# KiCad board pandore.kicad_pcb (continued)
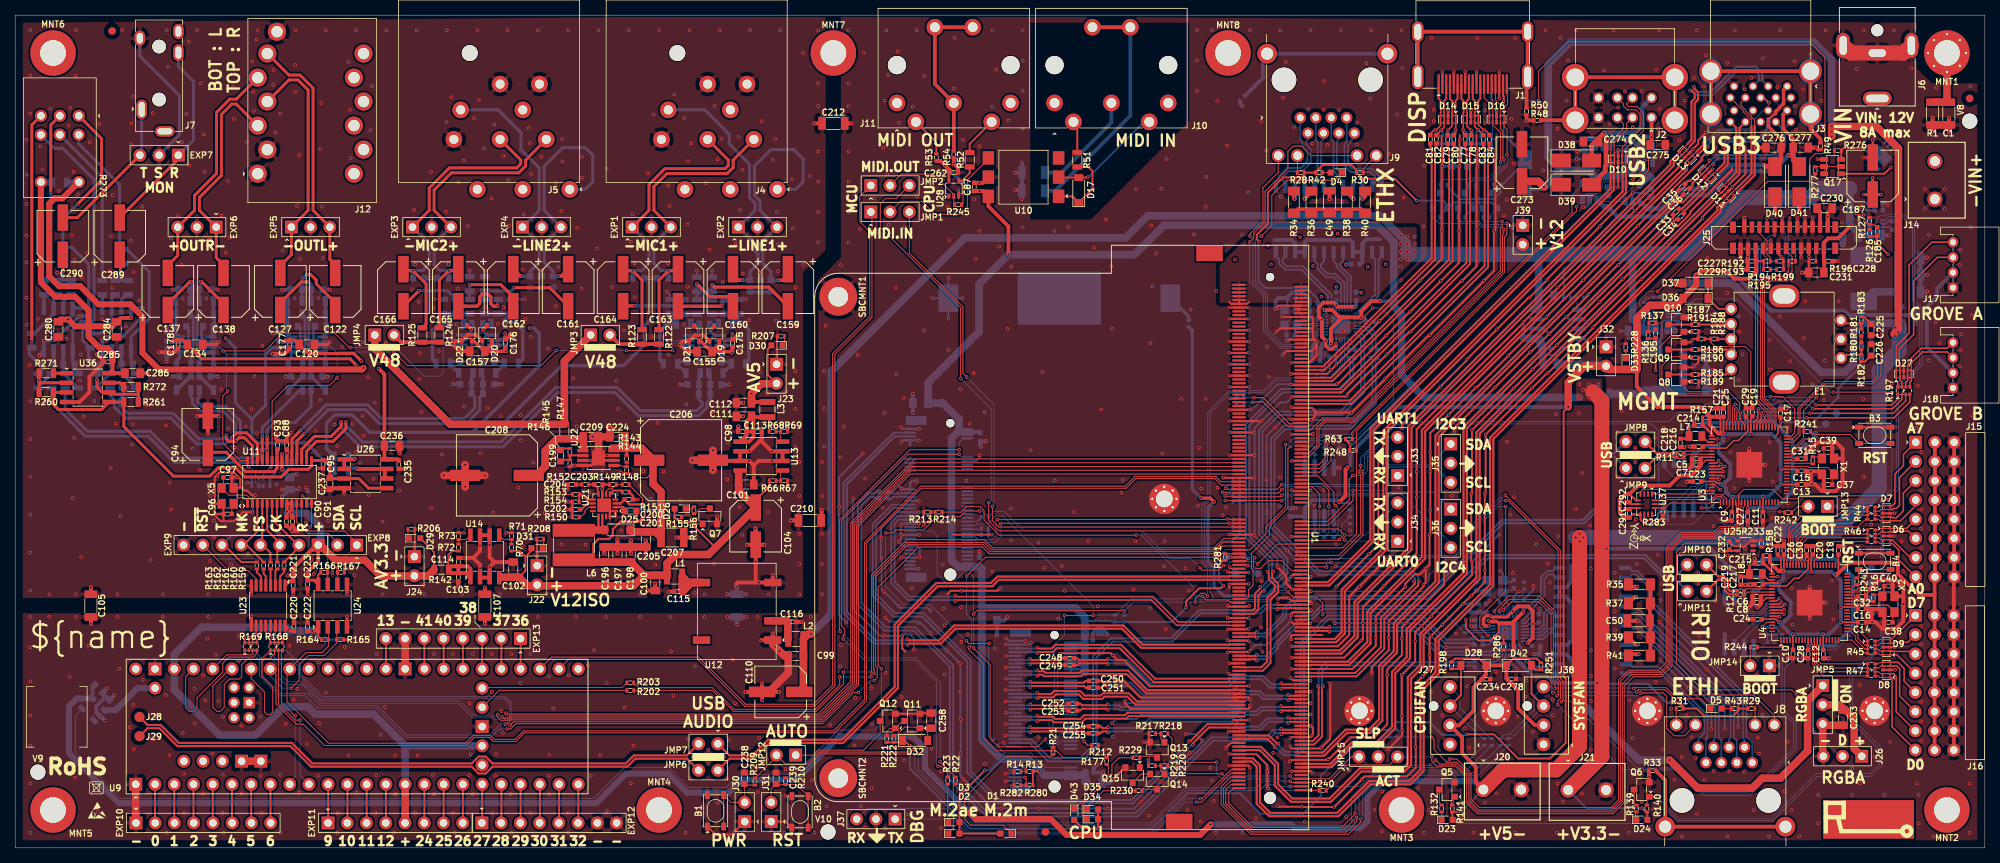
[diagram p0: board, top side]
## Routing (per net, layer and track width the routed paths; a pad name or vN(x,y) marks a point on that pad's centre or on a via; arc(x,y) is an arc through that point) (continued)
/Audio/Audio inputs/~{MUTE}.R: length 62.4
  Top w0.127: v1(44.3,66.1) 44.1,66.1 42.2,68 35.3,68 32.95,65.65 v1(27.45,65.65) ; v1(30.8,50.31) 30.66,50.44 U11.28 29.71,51.17 27.4,53.48 27.4,59.69 v1(28.06,60.34)
  Bottom w0.127: v1(44.3,66.1) 50.2,66.1 54,62.3 56,62.3 56.5,62.8 56.5,66.5 57.08,67.08 U18.7 ; R108.2 R109.1 31.73,48.23 31.73,49.53 30.95,50.31 v1(30.8,50.31) ; v1(28.06,60.34) 27.9,60.5 27.9,65.2 v1(27.45,65.65) 26.93,66.17 U16.7
/Audio/Audio outputs/LEFT.SIG+: length 45.4
  Top w0.4: U11.25 v1(32.62,54.3)
  Bottom w0.4: R76.1 37.6,60.5 32.62,55.52 v1(32.62,54.3) ; v1(32.62,52.1) 32.62,51.81 31.7,50.9 21.04,50.9 17.57,54.38 9.27,54.38 4.81,58.83 R255.1
/Audio/Audio outputs/LEFT.SIG-: length 46
  Top w0.4: U11.24 v1(33.27,54.3)
  Bottom w0.4: v1(33.3,52.5) 33.14,52.66 32.38,52.66 31.23,51.5 21.36,51.5 17.83,55.03 9.53,55.03 6.61,57.95 R254.1 ; v1(33.27,54.3) 33.27,55.21 34.23,56.17 36.92,56.17 39.05,58.3 R77.1
/Audio/Audio outputs/MONL.SIG-: length 19.7
  Top w0.4: C290.2 8.21,83.25 EXP7.3
  Bottom w0.4: EXP7.3 16.7,91.74 J7.T
/Audio/Audio outputs/MONR.SIG+: length 26.7
  Top w0.4: C289.2 21.54,90.99 EXP7.1
  Bottom w0.4: EXP7.1 23.55,93.51 23.55,101.25 21.55,103.25 J7.R
/Audio/Audio outputs/OUT buffer L/OUT+: length 10.2
  Top w0.4: C122.1 42.25,72 39.75,74.5 39.75,75 39,75.75 v1(38.5,75.75)
  Bottom w0.4: 37.85,72.35 C126.1 37.85,75.1 v1(38.5,75.75)
/Audio/Audio outputs/OUT buffer L/OUT-: length 8.5
  Top w0.4: v1(38.75,74.75) 37.75,74.75 35,72 C127.1
  Bottom w0.4: R81.2 C125.2 39.05,74.45 v1(38.75,74.75)
/Audio/Audio outputs/OUT buffer L/OUTBUF.FB+: length 11.1
  Bottom w0.4: R78.1 38.24,70.11 38.24,65.24 37.95,64.95 R74.1 C118.1 36.15,60.5 R76.2
/Audio/Audio outputs/OUT buffer L/OUTBUF.FB-: length 11.1
  Bottom w0.4: R79.1 38.77,70.22 38.77,65.13 39.05,64.85 R75.1 C117.2 40.85,60.5 R77.2
/Audio/Audio outputs/OUT buffer L/OUTBUF.IN+: length 6.5
  Bottom w0.4: R74.2 36.05,64.35 36.44,64.74 U15.1 37.27,65.53 37.65,65.9 37.65,68.7 37.45,68.9 C123.2
/Audio/Audio outputs/OUT buffer L/OUTBUF.IN-: length 6.4
  Bottom w0.4: R75.2 40.95,65.12 U15.8 39.79,65.52 39.37,65.94 39.37,68.82 39.45,68.9 C124.2
/Audio/Audio outputs/OUT buffer L/OUTBUF.OUT+: length 5.1
  Bottom w0.4: R80.1 R78.2 35.95,69 C123.1 35.85,68.06 35.97,67.94 35.98,67.94 U15.4
/Audio/Audio outputs/OUT buffer L/OUTBUF.OUT-: length 5
  Bottom w0.4: R81.1 R79.2 41.05,70.4 C124.1 41.05,67.98 U15.5
/Audio/Audio outputs/OUT buffer R/OUT+: length 11
  Top w0.4: C137.1 20.15,71.87 23.1,74.82 v1(23.26,74.82) ; 20.25,72 20.25,71.05 20.25,72
  Bottom w0.4: 23.2,72.25 23.25,72.3 23.25,74.81 v1(23.26,74.82) ; C135.1 23.1,72.35
/Audio/Audio outputs/OUT buffer R/OUT-: length 7.6
  Top w0.4: C138.1 27.5,71.9 24.59,74.81 v1(24.5,74.81)
  Bottom w0.4: 24.5,73.75 v1(24.5,74.81) ; C136.2 R93.2
/Audio/Audio outputs/OUT buffer R/OUTBUF.FB+: length 15.2
  Bottom w0.4: R90.1 23.49,70.11 23.49,65.24 23.2,64.95 R86.1 ; R86.1 23.2,62.45 ; R86.1 23.2,62.45 ; 23.2,62.45 23,62.25 23,62.2 R84.2 21.4,60.5 C128.1 23.2,62.45
/Audio/Audio outputs/OUT buffer R/OUTBUF.FB-: length 15.1
  Bottom w0.4: 24.3,62.45 C129.2 26.1,60.5 R85.2 24.5,62.2 24.5,62.25 24.3,62.45 ; 24.3,62.45 R87.1 ; 24.3,62.45 R87.1 ; R87.1 24.3,64.85 24.02,65.13 24.02,70.22 R91.1
/Audio/Audio outputs/OUT buffer R/OUTBUF.IN+: length 9.3
  Bottom w0.4: 21.3,64.35 21.69,64.74 ; 21.3,64.35 21.69,64.74 ; 21.3,64.35 R86.2 21.3,64.35 ; 21.69,64.74 U16.1 ; 21.69,64.74 U16.1 ; C131.2 22.7,68.9 22.9,68.7 22.9,65.9 22.52,65.53 ; U16.1 22.52,65.53 ; U16.1 22.52,65.53
/Audio/Audio outputs/OUT buffer R/OUTBUF.IN-: length 9.1
  Bottom w0.4: U16.8 25.04,65.52 24.62,65.94 24.62,68.82 24.7,68.9 C132.2 ; U16.8 24.98,65.52 ; U16.8 26.2,65.12 ; U16.8 26.2,65.12 ; 26.2,65.12 R87.2 26.2,65.12
/Audio/Audio outputs/OUT buffer R/OUTBUF.OUT+: length 5.1
  Bottom w0.4: 21.7,67.48 U16.4 21.23,67.94 21.22,67.94 21.1,68.06 C131.1 21.2,69 R90.2 R92.1
/Audio/Audio outputs/OUT buffer R/OUTBUF.OUT-: length 6.7
  Bottom w0.4: 26,69.08 26,67.68 U16.5 26.3,67.98 C132.1 26.3,70.4 R91.2 R93.1
/Audio/Audio outputs/OUT monitor/LEFT: length 7.3
  Top w0.4: C290.1 v1(6.3,76.1)
  Bottom w0.4: R274.2 v1(6.3,76.1) 6.3,74.95 R262.2 R265.2
/Audio/Audio outputs/OUT monitor/RIGHT: length 7.1
  Top w0.4: C289.1 13.9,78.25 v1(13.9,76.1)
  Bottom w0.4: R270.2 13.9,76.75 v1(13.9,76.1) 13.9,74.95 R267.2 R268.2
/Audio/Audio outputs/OUTL.SIG+: length 34.6
  Top w0.4: 42.25,77 C122.2 42.25,77.05 41.54,77.76 EXP5.3 39.33,84.22 39.33,100.36 37.6,102.09 36.13,102.09 J12.SB
/Audio/Audio outputs/OUTL.SIG-: length 33.8
  Top w0.4: J12.RB 36.13,101.44 37.34,101.44 38.67,100.1 38.67,84.22 EXP5.1 36.46,78.36 35,76.9 C127.2 35,77
/Audio/Audio outputs/OUTR.SIG+: length 31.2
  Top w0.4: J12.ST 29.18,98.9 28.32,98.9 26.58,97.16 26.58,89.09 23.67,86.18 23.67,84.22 EXP6.3 21.46,78.26 20.15,76.95 C137.2
/Audio/Audio outputs/OUTR.SIG-: length 31
  Top w0.4: 27.5,77 26.54,77.96 EXP6.1 24.33,84.22 24.33,85.92 27.23,88.82 27.23,96.89 28.59,98.25 29.18,98.25 J12.RT ; 27.5,77 C138.2 27.5,77
/Audio/Audio outputs/RIGHT.SIG+: length 37.7
  Top w0.4: U11.26 31.97,53.39 30.53,54.83 29.27,54.83 28.69,54.25 v1(28.65,54.25)
  Bottom w0.4: R84.1 23.2,59.52 23.42,59.3 23.42,58.66 24.41,57.67 27.47,57.67 29.08,56.07 29.08,54.63 28.69,54.25 v1(28.65,54.25) 27.77,53.38 23.97,53.38 20.57,56.78 14.57,56.78 13.08,58.26 13.08,59.2 12.51,59.78 R257.1
/Audio/Audio outputs/RIGHT.SIG-: length 36.6
  Top w0.4: v1(27.9,54.5) 27.9,54 28.21,53.69 29.09,53.69 v1(29.15,53.75) 29.15,53.79 29.53,54.17 30.27,54.17 31.31,53.13 U11.27
  Bottom w0.4: R256.1 14.31,59.78 13.73,59.2 13.73,58.53 14.83,57.42 20.83,57.42 24.23,54.03 27.42,54.03 v1(27.9,54.5) ; v1(29.15,53.75) 29.15,53.79 29.73,54.37 29.73,56.33 27.73,58.33 24.67,58.33 24.08,58.92 24.08,59.3 24.3,59.52 R85.1
/Audio/Audio outputs/VCM: length 54.5
  In1.Cu w0.4: v1(27.78,67.33) 27.07,68.04 20.41,68.04 19.66,67.29 19.66,66.64 20.15,66.15 v1(20.61,66.15)
  Bottom w0.4: U15.2 34.88,66.17 C121.2 33.84,66.05 33.05,65.26 33.05,58.45 31.24,56.64 ; 31.24,56.64 31.24,54.26 32,53.5 38.41,53.5 R205.2 ; 31.24,56.64 29.06,58.82 29.06,66.05 v1(27.78,67.33) ; 20.63,66.17 v1(20.61,66.15) 20.63,66.17 ; 20.63,66.17 20.67,66.17 ; 20.63,66.17 20.67,66.17 ; 20.67,66.17 20.12,66.17 ; 20.67,66.17 U16.2 20.67,66.17 ; 20.67,66.17 20.12,66.17 ; 20.12,66.17 C130.2 20.12,66.17
/Audio/Audio outputs/VCMMON: length 59
  Top w0.4: U26.5 46.64,47.52 45.38,48.78 U26.3 41.62,48.78 C237.2 41.54,50.72 41.03,51.23 C95.2 40.59,51.17 U11.15 39.12,50.42 38.7,50 36.11,50 35.11,49 30.3,49 29.1,50.2 26.8,50.2 25.7,49.1 20.9,49.1 14.35,55.65 R261.1 14.35,58.9 U36.5 11.4,57.9 5.7,57.9 5.05,58.55 R260.1 5.08,60.17 U36.3
/Audio/AUDMST.SCL: length 178.2
  Top w0.127: U24.3 42.45,29.11 R165.2 42.45,27.05 40.8,25.4 38.7,25.4 37.5,24.2 37.5,22.16 v1(36.42,21.08) ; U1.154 161.51,47.92 159.21,47.92 158.34,48.79 147.94,48.79 146.65,47.5 119.63,47.5 112.37,40.23 112.37,19.43 108.14,15.2 67.23,15.2 66.09,14.06 63.1,14.06 62.57,14.59 60.63,14.59 59.56,13.52 40.83,13.52 38.01,16.34 37.11,16.34 34.43,19.02 34.43,22.91 U9.41
  Bottom w0.127: v1(36.42,21.08) 35.29,21.08 33.7,22.67 U9.41
/Audio/AUDMST.SDA: length 168.8
  Top w0.127: U24.2 41.35,29.11 R164.2 41.35,26.65 40.5,25.8 38.4,25.8 U9.40 35.89,23.29 35.89,19.3 41.36,13.83 59.43,13.83 60.46,14.86 62.71,14.86 63.24,14.33 65.99,14.33 67.11,15.45 107.99,15.45 112.11,19.57 112.11,40.34 119.55,47.78 146.54,47.78 147.81,49.05 158.48,49.05 159.16,48.38 U1.156
/Audio/CODEC/CTL.SCL: length 17.8
  Top w0.127: EXP8.1 45.09,40.3 43.54,41.85 38.75,41.85 37.81,42.78 U11.12 ; U24.6 42.53,36.39 R167.2 v1(42.55,36.99)
  Bottom w0.127: v1(42.55,36.99) 42.55,37.46 EXP8.1 45.39,40
/Audio/CODEC/CTL.SDA: length 15
  Top w0.127: v1(41.25,37) R166.2 41.27,36.39 U24.7 ; EXP8.2 42.55,40.3 41.35,41.5 38.7,41.5 37.16,43.03 U11.11
  Bottom w0.127: EXP8.2 42.55,39.7 41.25,38.4 v1(41.25,37) 41.24,37.01
/Audio/CODEC/DATA.MCLK: length 10.4
  Top w0.25: U11.3 31.97,41.83 30.14,40 EXP9.5 30.55,40 R162.2
/Audio/CODEC/DATA.RXD0: length 10.4
  Top w0.25: U11.6 33.91,43.4 37.32,40 37.76,40 ; R159.2 37.46,39.71 EXP9.2
/Audio/CODEC/DATA.TXCLK: length 8.5
  Top w0.25: R160.2 34.6,39.38 34.92,39.7 34.92,40.3 33.27,41.95 U11.5
/Audio/CODEC/DATA.TXD0: length 16.2
  Top w0.25: EXP9.6 27.6,40 29.85,37.75 R163.2 ; U11.7 34.56,43.61 v1(34.55,43.6)
  Bottom w0.25: v1(34.55,43.6) 34.55,43.55 32.3,41.3 28.6,41.3 EXP9.6
/Audio/CODEC/DATA.TXFS: length 8.5
  Top w0.25: U11.4 32.62,40.23 EXP9.4 32.68,40 33.7,38.98 R161.2
/Audio/CPU.MCLK: length 159.1
  Top w0.127: U1.160 118.18,49.38 111.32,42.52 111.32,21.52 106.45,16.65 65.76,16.65 v1(65.32,16.21)
  Bottom w0.127: R170.1 35.75,26.1 37.67,24.18 37.67,22.94 40.63,19.97 64.67,19.97 65.47,19.18 65.47,16.37 v1(65.32,16.21)
/Audio/CPU.RXD0: length 163.7
  Top w0.127: U1.168 118.74,51.38 110.3,42.94 110.3,22 105.97,17.67 64.89,17.67 v1(64.76,17.79)
  Bottom w0.127: R171.1 31.9,25.66 32.53,25.03 32.53,22.87 35.02,20.38 38.67,20.38 40.25,18.8 47.8,18.8 51.69,14.91 62.66,14.91 64.75,17 64.75,17.78 v1(64.76,17.79)
/Audio/CPU.TXCLK: length 160.3
  Top w0.127: U1.162 118.32,49.88 111.06,42.62 111.06,21.62 106.35,16.91 65.42,16.91 64.84,16.32 v1(64.7,16.32)
  Bottom w0.127: v1(64.7,16.32) 65.22,16.85 65.22,19.07 64.59,19.7 40.55,19.7 37.39,22.86 37.39,23.96 36.46,24.89 35.46,24.89 34.75,25.6 R170.2
/Audio/CPU.TXD0: length 159.6
  Top w0.127: U1.166 118.6,50.88 110.55,42.83 110.55,21.83 106.14,17.42 65.21,17.42 64.91,17.12 64.46,17.12 v1(64.25,17.32)
  Bottom w0.127: R170.4 33.7,25.11 34.74,24.07 34.74,22.53 35.68,21.59 37.88,21.59 40.38,19.1 58.47,19.1 60.4,17.17 63.05,17.17 63.22,17 63.92,17 v1(64.25,17.32)
/Audio/CPU.TXFS: length 159.1
  Top w0.127: U1.164 118.46,50.38 110.81,42.73 110.81,21.73 106.24,17.16 65.32,17.16 65.02,16.86 64.09,16.86 63.69,17.26 v1(63.69,17.6)
  Bottom w0.127: R170.3 34.25,25.13 35.15,24.23 35.15,22.79 36,21.94 37.89,21.94 40.41,19.43 58.67,19.43 60.67,17.43 63.52,17.43 v1(63.69,17.6)
/Audio/CPU.~{RST}: length 155.8
  Top w0.127: v1(111.32,20.53) 110.69,20.53 106.56,16.4 66.1,16.4 65.4,15.7 v1(64.92,15.7) ; U1.130 159.37,39.88 158.62,39.13 128.74,39.13 127.81,40.06 117.84,40.06 113.56,35.78 113.56,24.04 113.8,23.8 113.8,22.51 v1(113.39,22.1)
  Bottom w0.127: R171.2 31.35,25.65 32.23,24.77 32.23,22.71 34.84,20.1 38.27,20.1 39.88,18.5 47.62,18.5 51.53,14.59 62.79,14.59 63.9,15.7 v1(64.92,15.7) ; v1(113.39,22.1) 112.89,22.1 v1(111.32,20.53)
/Audio/EN: length 189.7
  Top w0.127: v1(114.35,23.67) 113.91,24.11 113.91,34.43 119.22,39.74 127.68,39.74 128.57,38.85 161.53,38.85 U1.126
  Bottom w0.127: v1(114.35,23.67) 114.35,16.49 113.42,15.56 108.7,15.56 102.82,9.68 95.56,9.68 93.86,7.98 88.93,7.98 86.31,10.6 80.39,10.6 76.33,6.54 13.97,6.54 7.95,12.56 7.95,17.49 U33.4
/Audio/GPIO0: length 5.1
  Top w0.25: U9.2 18.46,3.33 EXP10.2
/Audio/GPIO1: length 5.1
  Top w0.25: EXP10.3 21,3.33 U9.3
/Audio/GPIO2: length 5.1
  Top w0.25: EXP10.4 23.54,3.33 U9.4
/Audio/GPIO3: length 5.1
  Top w0.25: U9.5 26.08,3.33 EXP10.5
/Audio/GPIO4: length 5.1
  Top w0.25: EXP10.6 28.62,3.33 U9.6
/Audio/GPIO5: length 5.1
  Top w0.25: EXP10.7 31.16,3.33 U9.7
/Audio/GPIO6: length 5.1
  Top w0.25: EXP10.8 33.7,3.33 U9.8
/Audio/GPIO9: length 5.1
  Top w0.25: U9.11 41.32,3.32 EXP11.1
/Audio/GPIO10: length 5.1
  Top w0.25: EXP11.2 43.86,3.32 U9.12
/Audio/GPIO11: length 5.1
  Top w0.25: EXP11.3 46.4,3.32 U9.13
/Audio/GPIO12: length 5.1
  Top w0.25: EXP11.4 48.94,3.32 U9.14
/Audio/GPIO13: length 4
  Top w0.25: U9.35 48.94,27.63 EXP13.8
/Audio/GPIO24: length 5.1
  Top w0.25: EXP11.6 54.02,3.32 U9.16
/Audio/GPIO25: length 5.1
  Top w0.25: U9.17 56.56,3.32 EXP11.7
/Audio/GPIO26: length 5.1
  Top w0.25: EXP11.8 59.1,3.32 U9.18
/Audio/GPIO27: length 5.1
  Top w0.25: EXP12.1 61.64,3.33 U9.19
/Audio/GPIO28: length 5.1
  Top w0.25: U9.20 64.18,3.33 EXP12.2
/Audio/GPIO29: length 5.1
  Top w0.25: EXP12.3 66.72,3.33 U9.21
/Audio/GPIO30: length 5.1
  Top w0.25: EXP12.4 69.26,3.33 U9.22
/Audio/GPIO31: length 5.1
  Top w0.25: U9.23 71.8,3.33 EXP12.5
/Audio/GPIO32: length 5.1
  Top w0.25: EXP12.6 74.34,3.33 U9.24
/Audio/GPIO36: length 4
  Top w0.25: EXP13.1 66.72,27.63 U9.28
/Audio/GPIO37: length 4
  Top w0.25: U9.29 64.18,27.63 EXP13.2
/Audio/GPIO38: length 4
  Top w0.25: U9.30 61.64,27.63 EXP13.3
/Audio/GPIO39: length 4
  Top w0.25: EXP13.4 59.1,27.63 U9.31
/Audio/GPIO40: length 4
  Top w0.25: EXP13.5 56.56,27.63 U9.32
/Audio/GPIO41: length 4
  Top w0.25: EXP13.6 54.02,27.63 U9.33
/Audio/Isolation/CODEC.~{RST}: length 31.4
  Top w0.127: EXP9.7 28.11,36.65 30.7,36.65 31.81,35.54 U23.7 ; v1(38.95,42.4) 39.12,42.56 U11.14
  Bottom w0.127: EXP9.7 24.8,40 26.64,38.16 37.66,38.16 38.8,39.3 38.8,42.25 v1(38.95,42.4)
/Audio/Isolation/MCU.MCLK: length 20.2
  Top w0.127: R169.4 31.9,25.7 31.4,25.2 28.2,25.2 27.4,24.4 27.4,23.2 24,19.8 24,18.45 23.58,18.03 22.97,18.03 22.5,18.5 22.5,22.6 U9.45
/Audio/Isolation/MCU.RXD0: length 19.8
  Top w0.127: 38.7,8.4 U9.10 ; R168.3 34.75,19.09 36.97,16.87 v1(37.62,16.87)
  Bottom w0.127: v1(37.62,16.87) 37.62,9.56 U9.10
/Audio/Isolation/MCU.TXCLK: length 20.2
  Top w0.127: U9.43 28.34,23.64 26.1,21.4 26.1,18.57 26.63,18.04 27.09,18.04 27.6,18.55 27.6,21.6 28.3,22.3 29.6,22.3 29.9,22.6 29.9,24.2 30.6,24.9 32.5,24.9 R168.1
/Audio/Isolation/MCU.TXD0: length 18.9
  Top w0.127: v1(36.97,17.46) 36.89,17.46 35.15,19.2 35.15,25.95 R168.4
  Bottom w0.127: U9.9 36.24,8.69 36.97,9.42 v1(36.97,17.46)
/Audio/Isolation/MCU.TXFS: length 17.6
  Top w0.127: R168.2 34.25,25.65 33.6,25 33,25 32.6,24.6 32.6,22.6 34,21.2 34,17.91 33.71,17.62 33.24,17.62 32.92,17.94 32.92,20.58 31.16,22.34 U9.42
/Audio/Isolation/MCU.~{RST}: length 6.6
  Top w0.127: U9.44 27.94,25.5 31.2,25.5 31.35,25.65 R169.3
/Audio/MIDI.RX: length 105.3
  Top w0.127: U9.26 73.06,24.9 90.1,24.9 96.28,18.72 96.32,18.72 96.32,18.72 105.48,18.72 105.48,18.72 105.52,18.72 108.2,21.4 108.2,65.2 113.1,70.1 113.1,83.85 JMP1.1
/Audio/MIDI.TX: length 112.1
  Top w0.127: U9.27 70.82,25.2 90.2,25.2 96.43,18.97 105.37,18.97 107.9,21.5 107.9,65.3 112.8,70.2 112.8,81.4 111.5,82.7 111.5,86.05 JMP2.1
/Audio/Power/REGV48.OUT: length 14.9
  Top w0.25: 70.75,53.25 71.45,52.55 C199.2 72.17,52.55 72.38,52.75 R145.1
  Top w1: 75,52.8 C209.2 74.95,54.25 74.95,54.2 74.8,54.05 R147.1 71.55,54.05 69.95,52.45 69.95,50.35 68.8,49.2 C208.1
/Audio/USB.D+: length 84
  Top w0.28: U1.112 160.24,35.38 160.2,35.41 129.83,35.41 128.98,34.56 121.77,34.56 116.53,29.31 116.53,21.09 109.29,13.85 99.56,13.85 97.49,11.78 94.3,11.78 JMP6.1
/Audio/USB.D-: length 84
  Top w0.28: U1.114 160.24,35.88 160.2,35.84 129.66,35.84 128.8,34.98 121.59,34.98 116.09,29.49 116.09,21.27 109.11,14.28 99.38,14.28 97.31,12.22 94.3,12.22 JMP7.1
/Audio/~{PROGRAM}: length 99.8
  Top w0.127: v1(109.34,23.23) 109.34,21.66 105.71,18.03 94.82,18.03 92.05,20.8 R202.2 ; v1(113.38,23.02) 113.38,23.62 113.31,23.69 113.31,35.92 113.88,36.5 117.71,40.33 127.96,40.33 128.91,39.38 158.4,39.38 159.4,40.38 U1.132
  Bottom w0.127: v1(113.38,23.02) 113.17,23.23 v1(109.34,23.23)
/Audio/~{RST}: length 100.1
  Top w0.127: v1(108.84,22.57) 108.84,21.52 105.62,18.3 94.91,18.3 92.05,21.16 82.29,21.16 R203.2 ; U1.134 159.51,40.88 158.28,39.64 129.03,39.64 127.96,40.71 117.67,40.71 113.05,36.09 113.05,23.36 112.96,23.27 v1(112.96,22.56)
  Bottom w0.127: v1(108.84,22.57) 112.95,22.57 v1(112.96,22.56)
/Computer/AUDIO.MIDI.RX: length 78.4
  Top w0.127: U1.140 129.85,42.38 129,43.22 v1(129,45.1) ; v1(125.6,62.2) 125.1,62.7 125.1,71.5 118.03,78.57 JMP1.3
  Bottom w0.127: v1(125.6,62.2) 129.2,58.6 129.2,45.3 v1(129,45.1)
/Computer/AUDIO.MIDI.TX: length 86.5
  Top w0.127: v1(128.5,45.6) 128.5,43.2 129.82,41.88 161.54,41.88 U1.138 ; JMP2.3 116.33,85.8 114.9,85.8 114.2,85.1 114.2,81.98 124.8,71.38 v1(124.8,62)
  Bottom w0.127: v1(124.8,62) 128.85,57.95 128.85,45.95 v1(128.5,45.6)
/Computer/BIOS mem/BIOS.IO0: length 11.7
  Top w0.127: v1(174.3,45.2) 174.07,45.43 174.07,47.03 171.97,49.12 U1.159
  Bottom w0.127: R4.1 174.61,41.51 174.61,44.89 v1(174.3,45.2)
/Computer/BIOS mem/BIOS.IO1: length 8.1
  Top w0.127: U1.163 172.21,50.12 173.21,51.13 173.21,53.27 v1(173.32,53.38)
  Bottom w0.127: v1(173.32,53.38) 173.31,53.37 172.37,53.37 171.87,52.87 R5.1
/Computer/BIOS mem/BIOS.IO2: length 7.1
  Top w0.127: v1(173.69,52.84) 173.69,51.15 172.16,49.62 U1.161
  Bottom w0.127: v1(173.69,52.84) 173.66,52.87 R6.1
/Computer/BIOS mem/BIOS.IO3: length 8.9
  Top w0.127: v1(172.2,45.1) 172.2,46.73 171.19,47.74 170.78,47.74 170.67,47.62 U1.153
  Bottom w0.127: R7.1 172.2,41.6 v1(172.2,45.1)
/Computer/BIOS mem/BIOS.SCK: length 10.6
  Top w0.127: v1(173.4,45.1) 173.4,47.27 172.54,48.12 U1.155
  Bottom w0.127: R2.1 173.4,41.6 v1(173.4,45.1)
/Computer/BIOS mem/BIOS.SEL: length 9.6
  Top w0.127: U1.133 174.71,40.62 v1(174.81,40.73)
  Bottom w0.127: v1(174.81,40.73) 175.08,41 175.08,42.63 R10.1 R8.2
/Computer/BIOS mem/BIOS.~{SS}: length 11.6
  Top w0.127: v1(172.91,53.8) 172.9,53.78 172.9,53.2 172.92,53.18 172.92,51.46 172.09,50.62 U1.165
  Bottom w0.127: R9.2 174.8,53.34 174.3,53.85 174.29,53.85 174.17,53.98 173.09,53.98 v1(172.91,53.8) 172.9,53.79 172.31,53.79 172.11,53.59 171.53,53.59 170.8,52.87 R3.1
/Computer/BIOS mem/BIOSMEM.IO0: length 1.8
  Bottom w0.127: R4.2 174.07,41.88 U2.5
/Computer/BIOS mem/BIOSMEM.IO1: length 1.8
  Bottom w0.127: R5.2 171.53,51.94 U2.2
/Computer/BIOS mem/BIOSMEM.IO2: length 1.8
  Bottom w0.127: U2.3 172.81,51.91 R6.2
/Computer/BIOS mem/BIOSMEM.IO3: length 1.8
  Bottom w0.127: R7.2 171.53,41.91 U2.7
/Computer/BIOS mem/BIOSMEM.SCK: length 1.8
  Bottom w0.127: U2.6 172.81,41.91 R2.2
/Computer/BIOS mem/BIOSMEM.~{SS}: length 1.8
  Bottom w0.127: R3.2 U2.1
/Computer/Boot control/PWRSW: length 86.7
  Top w0.127: R240.1 v1(171,7.6) 170.97,7.62 U1.1 ; v1(118.7,13.1) 118.26,12.66 106.09,12.66 104.52,11.09 101.65,11.09 JMP12.2 100.49,12.04 R209.2
  Bottom w0.127: v1(171,7.6) 166.82,7.6 166.05,8.37 165.09,8.37 164.32,7.6 154.58,7.6 149.99,3.01 126.13,3.01 118.7,10.44 v1(118.7,13.1)
/Computer/Boot control/RSTSW: length 76.9
  Top w0.127: v1(168.31,8.1) 168.34,8.12 U1.3 ; R210.2 103.1,9.25 106.25,12.4 v1(119.2,12.4)
  Bottom w0.127: v1(119.2,12.4) 119.2,10.37 126.26,3.32 149.92,3.32 154.51,7.91 163.8,7.91 164.7,8.81 166.3,8.81 167.01,8.1 v1(168.31,8.1)
/Computer/Computer module/DEBUG.RX: length 55.8
  Top w0.127: v1(156.44,6.49) 156.66,6.49 160.55,10.38 U1.12
  Bottom w0.127: v1(156.44,6.49) 154.51,6.49 150.08,2.06 125.98,2.06 122.85,5.2 112.48,5.2 J37.3
/Computer/Computer module/DEBUG.TX: length 49.6
  Top w0.127: U1.10 160.47,9.88 156.63,6.03 v1(155.93,6.03)
  Bottom w0.127: v1(155.93,6.03) 154.41,6.03 150.19,1.81 125.8,1.81 123.81,3.8 J37.1
/Computer/Computer module/FANCPU.PWM: length 44.8
  Top w0.127: U1.2 160.82,7.88 160.2,7.25 160.2,5.9 163.4,2.7 175.1,2.7 176.88,4.48 176.88,4.56 v1(176.87,4.57)
  Bottom w0.127: v1(176.87,4.57) 176.9,4.6 176.9,6.8 180.14,10.05 191.4,10.05 R201.1
/Computer/Computer module/FANCPU.TAC: length 46
  Top w0.127: U1.4 160.53,8.38 159.8,7.65 159.8,5.9 163.3,2.4 175.4,2.4 v1(176.6,3.6)
  Bottom w0.127: R200.1 190.65,10.3 180.04,10.3 176.4,6.66 176.4,3.8 v1(176.6,3.6)
/Computer/Computer module/GPP_F13: length 1.7
  Top w0.127: U1.124 160.43,38.38 v1(160.4,38.4)
  Bottom w0.127: v1(160.4,38.4) TP10.1
/Computer/Computer module/GPP_F14: length 2.2
  Top w0.127: U1.122 162.44,37.88 v1(162.78,38.22)
  Bottom w0.127: v1(162.78,38.22) 162.48,38.22 TP11.1
/Computer/Computer module/GPP_F15: length 2.9
  Top w0.127: v1(162.7,37.3) 162.62,37.38 U1.120
  Bottom w0.127: TP12.1 162.95,37.3 v1(162.7,37.3)
/Computer/Computer module/GPP_F16: length 2.6
  Top w0.127: U1.118 160.53,36.88 v1(160.3,37.1)
  Bottom w0.127: TP13.1 160.8,36.5 160.8,36.6 v1(160.3,37.1)
/Computer/Computer module/I2C3.SCL: length 34.1
  Top w0.127: v1(167.22,47.33) 166.76,46.88 U1.150 159.92,46.88 159.83,46.97 v1(159.35,46.97)
  Bottom w0.127: J35.3 187.47,50.3 181.4,50.3 178.84,47.74 167.63,47.74 v1(167.22,47.33) ; R173.2 160.22,46.97 v1(159.35,46.97)
/Computer/Computer module/I2C3.SDA: length 33.5
  Top w0.127: v1(167.2,48) 166.57,47.38 U1.152 159.93,47.38 v1(159.8,47.5)
  Bottom w0.127: v1(159.8,47.5) 159.85,47.5 R172.2 ; J35.1 186.75,50.6 181.3,50.6 178.7,48 v1(167.2,48)
/Computer/Computer module/I2C4.SCL: length 34.5
  Top w0.127: v1(167.21,45.87) 167.21,45.88 U1.146 v1(159.73,45.88)
  Bottom w0.127: v1(167.21,45.87) 167.84,46.5 181.5,46.5 181.74,46.74 183,46.74 189.5,40.24 J36.3 ; v1(159.73,45.88) 159.75,45.9 160.55,45.9 R175.2
/Computer/Computer module/I2C4.SDA: length 32.2
  Top w0.127: v1(159.7,46.5) 159.82,46.38 U1.148 167,46.38 v1(167.22,46.6)
  Bottom w0.127: J36.1 187.23,47.02 181.52,47.02 181.25,46.75 167.37,46.75 v1(167.22,46.6) ; v1(159.7,46.5) 159.8,46.6 R174.2
/Computer/Computer module/SYSCPU.PWM: length 49.3
  Top w0.127: U1.6 160.47,8.88 159.5,7.9 159.5,5.8 163.2,2.1 175.7,2.1 177.1,3.5 177.1,3.97 v1(177.06,4.02)
  Bottom w0.127: R250.1 192.34,9.79 180.25,9.79 177.4,6.94 177.4,4.36 v1(177.06,4.02)
/Computer/Computer module/SYSCPU.TAC: length 51.7
  Top w0.127: U1.8 160.47,9.38 159.2,8.1 159.2,5.7 163.1,1.8 176,1.8 177.6,3.4 v1(177.6,3.8)
  Bottom w0.127: v1(177.6,3.8) 177.71,3.8 177.86,3.94 177.86,6.97 180.43,9.54 193.09,9.54 R249.1
/Computer/Computer module/UART0.RX: length 13.2
  Top w0.127: v1(175.5,40.7) 174.94,41.26 171.44,41.26 171.07,41.62 U1.137
  Bottom w0.127: J34.1 175.7,40.5 v1(175.5,40.7)
/Computer/Computer module/UART0.TX: length 14.9
  Top w0.127: v1(175.5,41.3) 174.68,42.12 U1.139
  Bottom w0.127: J34.3 178.22,41.3 v1(175.5,41.3)
/Computer/Computer module/UART1.RX: length 16.2
  Top w0.127: v1(176.6,47.22) 176.6,45.9 173.32,42.62 U1.141
  Bottom w0.127: J33.1 180.55,47.22 v1(176.6,47.22)
/Computer/Computer module/UART1.TX: length 20
  Top w0.127: v1(176.59,49.18) 176.1,48.69 176.1,46 173.22,43.12 U1.143
  Bottom w0.127: v1(176.59,49.18) 177.91,49.18 178.52,49.79 178.52,51.65 181.12,54.25 J33.3
/Computer/DISP.CLK+: length 47.8
  Top w0.25: C83.2 193.8,92.6 193.97,92.42 193.97,76.89 176.18,59.1 170.5,59.1 170.47,59.12 U1.199
/Computer/DISP.CLK-: length 48.6
  Top w0.25: U1.197 170.47,58.62 170.5,58.65 176.37,58.65 194.43,76.71 194.43,92.42 194.6,92.6 C84.2
/Computer/DISP.D0+: length 44.6
  Top w0.25: U1.205 170.47,60.62 170.5,60.6 174.88,60.6 191.57,77.29 191.57,92.42 191.4,92.6 C77.2
/Computer/DISP.D0-: length 45.3
  Top w0.25: U1.203 170.47,60.12 170.5,60.15 175.07,60.15 192.03,77.11 192.03,92.42 192.2,92.6 C78.2
/Computer/DISP.D1+: length 41.4
  Top w0.25: U1.211 170.47,62.12 170.5,62.1 173.68,62.1 189.28,77.69 189.28,92.42 189.1,92.6 C79.2
/Computer/DISP.D1-: length 42.2
  Top w0.25: C80.2 189.9,92.6 189.72,92.42 189.72,77.51 173.87,61.65 170.5,61.65 170.47,61.62 U1.209
/Computer/DISP.D2+: length 38.4
  Top w0.25: U1.217 170.88,63.62 170.9,63.6 172.66,63.6 186.97,77.91 186.97,92.42 186.8,92.6 C81.2
/Computer/DISP.D2-: length 39.1
  Top w0.25: U1.215 170.47,63.12 170.5,63.15 172.85,63.15 187.43,77.73 187.43,92.42 187.6,92.6 C82.2
/Computer/DISP.DDC.CLK: length 54.7
  Top w0.127: v1(196.49,81.7) 196.49,81.19 196.34,81.04 196.34,76.15 176.71,56.52 172.83,56.52 171.83,55.52 171.83,53.19 170.76,52.12 U1.171
  Bottom w0.127: Q2.2 R57.2 187.97,82.48 193.12,82.48 193.6,82 196.19,82 v1(196.49,81.7)
/Computer/DISP.DDC.DAT: length 53.2
  Top w0.127: v1(196.91,82.5) 196.91,81.01 196.59,80.69 196.59,76.01 176.83,56.25 172.94,56.25 172.11,55.42 172.11,53 170.74,51.62 U1.169
  Bottom w0.127: Q3.2 R59.2 190.45,83.15 190.87,82.73 193.27,82.73 193.67,82.33 196.74,82.33 v1(196.91,82.5)
/Computer/DISP.HPD: length 45.8
  Top w0.127: v1(196.28,82.75) 196.28,82.11 196.04,81.87 196.04,76.25 176.57,56.78 172.58,56.78 170.93,55.12 U1.183
  Bottom w0.127: Q4.2 R61.2 193.75,82.97 193.97,82.75 v1(196.28,82.75)
/Computer/ETHI.HSI0+: length 49
  Top w0.25: U1.28 162.86,14.38 162.89,14.4 165.3,14.4 166.25,13.45 v1(166.25,13.27)
  Bottom w0.25: C47.2 192.18,26.87 192,27.05 188.73,27.05 185.55,30.23 173.41,30.23 170.12,26.95 170.12,13.09 169.28,12.25 167.46,12.25 166.43,13.27 v1(166.25,13.27)
/Computer/ETHI.HSI0-: length 49
  Top w0.25: v1(166.75,13.77) 166.57,13.77 165.49,14.85 162.89,14.85 162.86,14.88 U1.30
  Bottom w0.25: C48.2 192.18,27.67 192,27.5 188.92,27.5 185.73,30.69 173.23,30.69 169.68,27.13 169.68,13.27 169.1,12.69 167.64,12.69 166.75,13.59 v1(166.75,13.77)
/Computer/ETHI.HSO0+: length 32.4
  Top w0.25: U1.25 170.47,13.62 170.5,13.65 171.46,13.65 172.5,14.7 172.51,21.25 v1(172.61,21.35)
  Bottom w0.25: C43.2 192.49,24.07 173.29,24.07 172.51,23.29 172.51,21.45 v1(172.61,21.35)
/Computer/ETHI.HSO0-: length 32.4
  Top w0.25: U1.27 170.47,14.12 170.5,14.1 171.27,14.1 172.06,14.88 172.05,21.25 v1(171.95,21.35)
  Bottom w0.25: C44.2 192.49,24.52 173.1,24.52 172.05,23.47 172.05,21.45 v1(171.95,21.35)
/Computer/ETHI.REFCLK+: length 28.5
  Top w0.25: U1.85 171.06,28.62 171.09,28.65 173.4,28.65 v1(173.5,28.55)
  Bottom w0.25: v1(173.5,28.55) 173.6,28.65 184.73,28.65 187.91,25.47 195.1,25.47 195.99,26.36 195.99,26.36 196.1,26.47 U8.15
/Computer/ETHI.REFCLK-: length 27.7